# KiCad board PC110.kicad_pcb (continued)
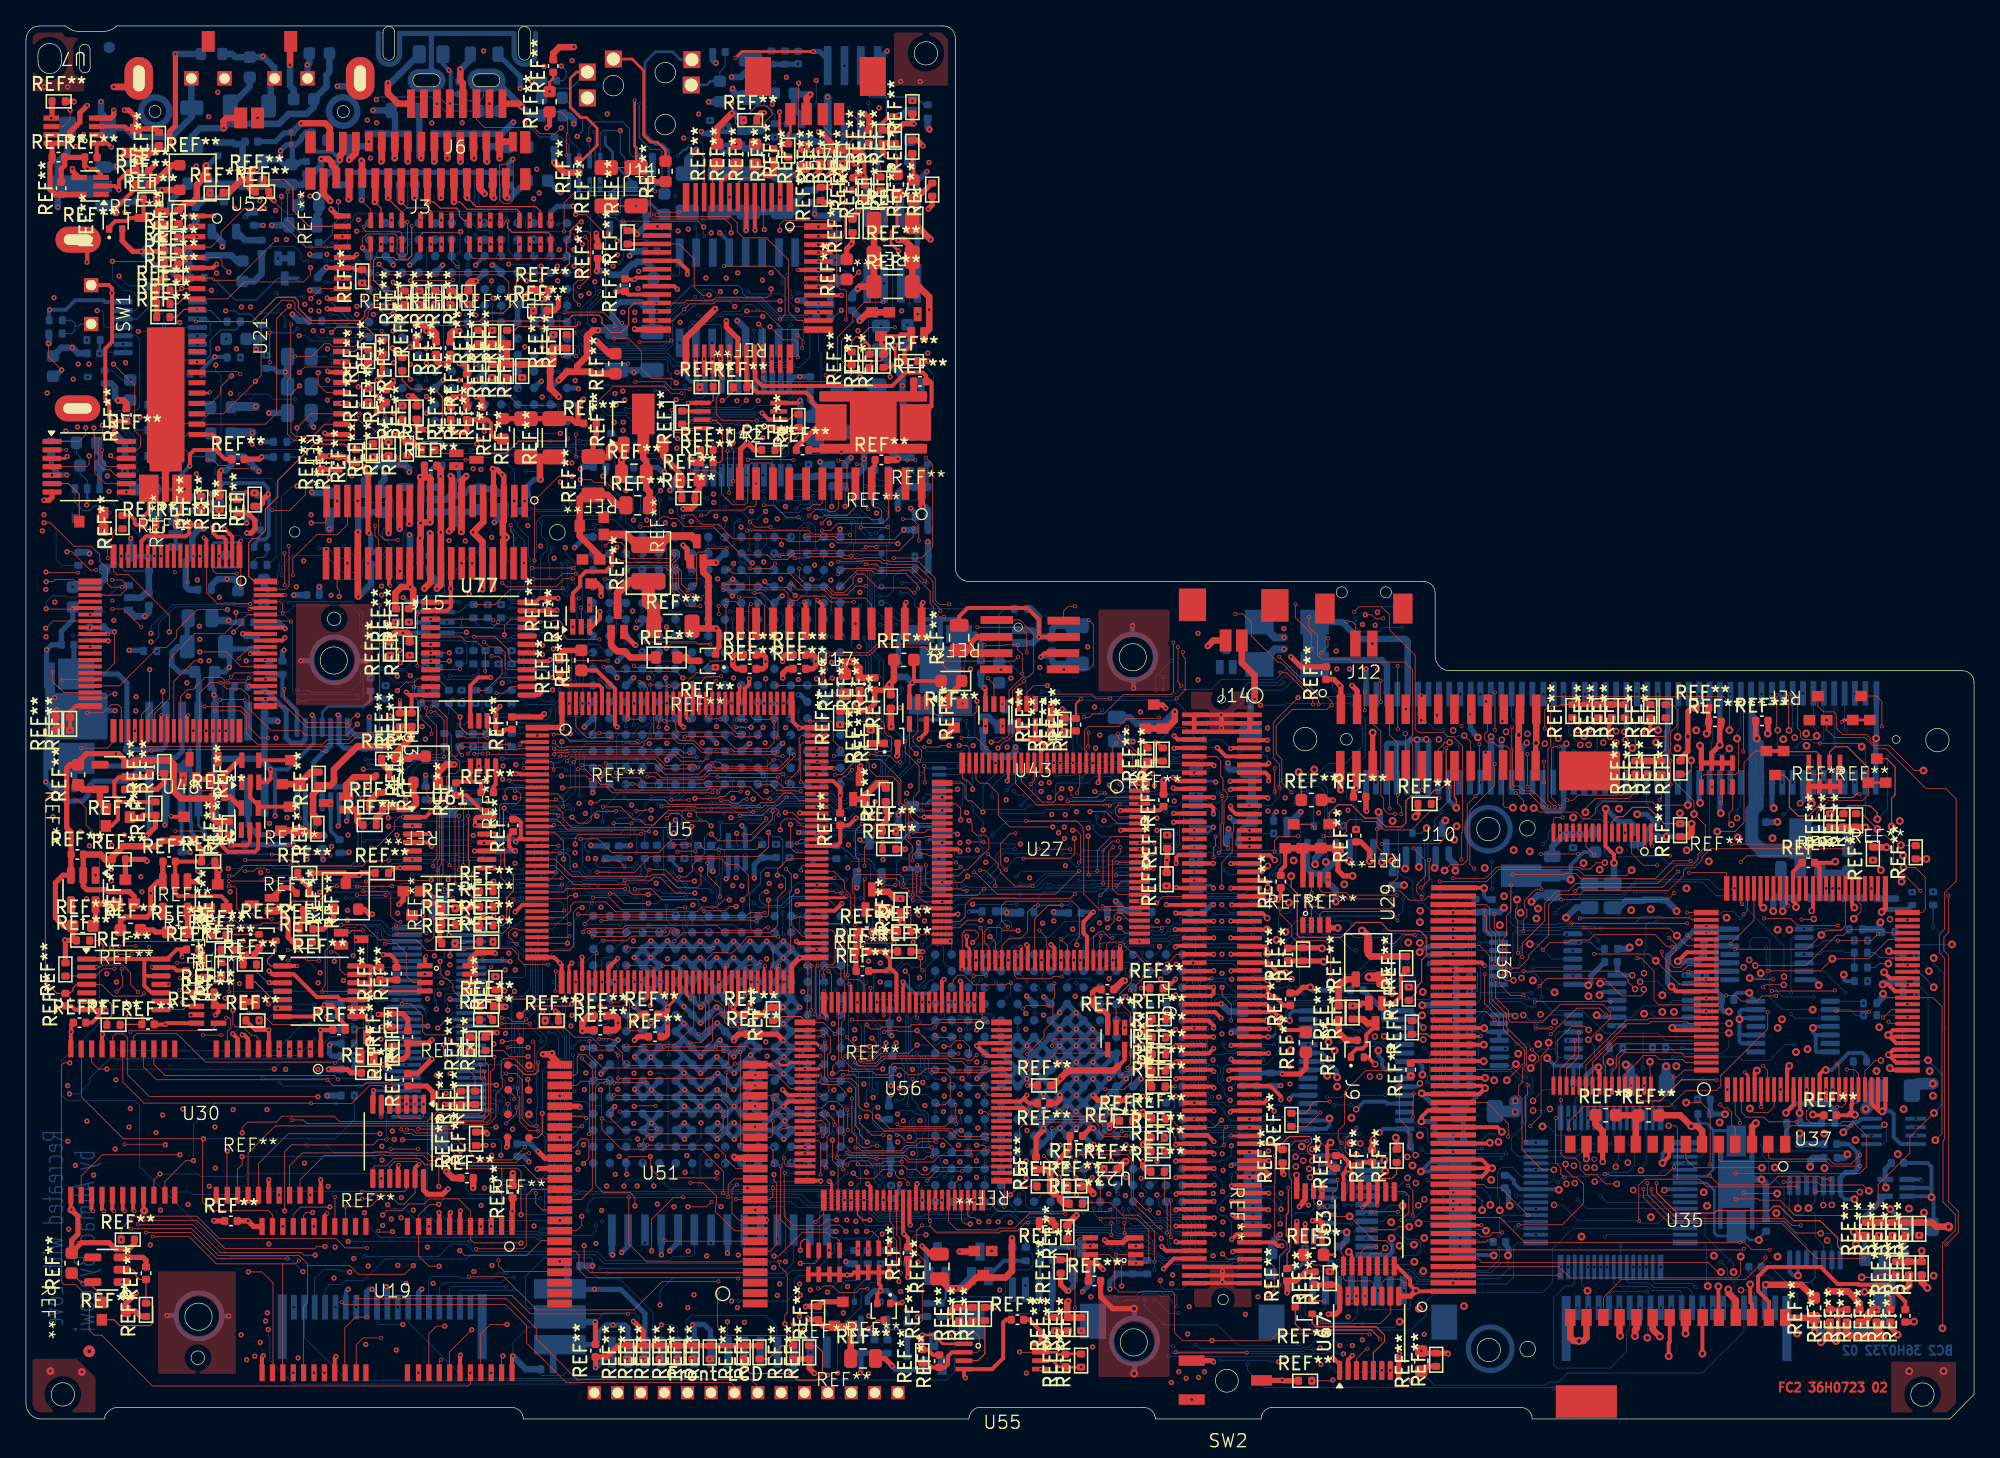
[diagram p0: board, top side]
## Routing (per net, layer and track width the routed paths; a pad name or vN(x,y) marks a point on that pad's centre or on a via; arc(x,y) is an arc through that point) (continued)
BCD7: length 42.9
  FC2 w0.3: v1(91.46,46.62) 91.46,47.1 91.3,47.26 J16.82
  IC4 w0.05: v1(91.46,46.62) 91.86,46.62 92.06,46.82 93.26,46.82 94.92,45.16 94.92,33.61 95.48,33.05 96.15,33.05 97.83,31.37 97.83,30.56 97.29,30.02 v3(97.29,29.29)
  BC1 w0.05: v11(96,22.83) 95.67,23.16 95.67,23.83 96.28,24.44 96.28,26.71 v11(96.64,27.07) ; v11(89.83,23.72) 87.66,23.72 86.66,24.72 v11(86.66,25.39)
  BC2 w0.05: 86.54,25.65 86.66,25.53 v11(86.66,25.39) 86.66,25.5 86.54,25.62 ; v11(96,22.83) 95.71,22.54 93.71,22.54 93.62,22.45 91.1,22.45 v11(89.83,23.72) ; v3(97.29,29.29) 96.7,28.7 96.7,27.13 v11(96.64,27.07)
BCD8: length 11.4
  FC2 w0.3: v1(88.58,16.11) 88.63,16.16 J16.131
  IC2 w0.05: v1(88.58,16.11) 87.72,15.25 87.02,15.25 86.83,15.44 83.34,15.44 81.52,17.26 v1(80.92,17.26)
  BC2 w0.05: 81.46,18.03 81.46,17.53 81.19,17.26 v1(80.92,17.26)
BCD9: length 10.8
  FC2 w0.3: v1(88.58,14.86) J16.133
  BC1 w0.05: v11(81.45,15.91) 82.03,15.91 83.12,14.82 86.57,14.82 86.83,14.56 87.55,14.56 87.85,14.86 v1(88.58,14.86)
  BC2 w0.05: U25.A9 80.79,16.15 81.2,16.15 81.44,15.91 v11(81.45,15.91)
BCD10: length 15
  FC2 w0.3: J16.135 88.63,13.61 v1(88.58,13.66)
  IC4 w0.05: v1(85.9,18.54) 85.4,18.04 85.4,16.62 86.81,15.21 86.99,15.21 88.54,13.66 v1(88.58,13.66)
  BC1 w0.05: v11(80.26,20.06) 80.52,20.32 82.55,20.32 83.43,19.44 85,19.44 v1(85.9,18.54)
  BC2 w0.05: 80.19,20.57 80.19,20.13 v11(80.26,20.06)
BCD10_2: length 81
  FC1 w0.05: v1(87.11,45.36) 87.11,45.23 87.63,44.71 v2(89.99,44.71)
  BC1 w0.05: v11(106.41,34.35) 106.43,34.33 106.43,29.07 106.92,28.58 v11(107.68,28.58) ; v11(96.6,19.77) 96.6,19.49 96.33,19.22 96.33,18.62 96.99,17.96 99.18,17.96 99.52,18.3 99.52,19.77 99.99,20.24 99.99,24.58 v11(100.2,24.79) ; v11(107.93,25.94) 107.93,24.59 107.72,24.38 107.06,24.38 106.49,24.95 v11(104.69,24.95) ; v11(89.84,24.17) 88.61,24.17 87.95,24.83 v11(87.95,24.95) ; v11(106.39,35.21) 105.13,36.47 105.13,38.1 103.61,39.62 103.61,41.17 102.49,42.29 101.86,42.29 101.86,42.3 101.39,42.77 101.39,44.22 v11(100.48,45.13) ; v11(95.37,22.82) 95.41,22.78 95.41,22.11 v11(96.41,21.11) ; v11(93.53,46.82) 92.46,46.82 91.97,47.31 89.4,47.31 88.63,48.08 88.16,48.08 87.55,47.48 87.55,45.81 v1(87.11,45.36)
  BC2 w0.05: v11(104.69,24.95) 101.45,24.95 101.29,24.79 v11(100.2,24.79) ; v11(95.37,22.82) 95.05,22.82 94.95,22.72 93.59,22.72 93.48,22.61 91.5,22.61 89.94,24.17 v11(89.84,24.17) ; v11(107.68,28.58) 108.1,28.16 108.1,26.51 107.93,26.34 v11(107.93,25.94) ; v11(96.6,19.77) 96.6,20.97 96.46,21.11 v11(96.41,21.11) ; v11(106.39,35.21) 106.41,35.19 v11(106.41,34.35) ; v11(93.53,46.82) 94.74,46.82 95.21,47.29 95.88,47.29 96.58,47.99 96.58,48.39 97.26,49.07 99.78,49.07 100.25,48.6 100.25,45.61 100.48,45.38 v11(100.48,45.13) ; 87.81,24.38 87.95,24.52 v11(87.95,24.95)
BCD11: length 38.2
  FC2 w0.3: v1(91.5,50.35) 91.39,50.46 J16.77
  IC4 w0.05: v1(91.5,50.35) 89.65,52.2 88.1,52.2 87.56,52.74 85.08,52.74 84.37,52.03 84.37,48.09 83.48,47.2 83.48,43.24 81.66,41.42 81.66,31.02 82.02,30.66 82.84,30.66 84.61,28.89 v1(85.96,28.89)
  BC2 w0.05: 86.54,28.19 86.54,28.27 85.96,28.85 v1(85.96,28.89)
BCD12: length 29.7
  FC2 w0.3: J16.79 88.66,49.16 v1(88.38,49.44)
  IC4 w0.05: v1(87.22,26.22) 86.64,26.8 86.64,30.46 86.44,30.66 86.44,33.96 86.58,34.1 86.58,38.64 87.07,39.13 87.92,39.13 89.78,40.99 89.78,44.41 89.14,45.05 88.53,45.05 87.57,46.01 87.57,48.43 88,48.86 88,49.06 v1(88.38,49.44)
  BC2 w0.05: 87.81,26.92 87.22,26.33 v1(87.22,26.22)
BCD13: length 91
  FC2 w0.3: v1(91.46,47.88) 91.43,47.91 J16.81
  IC4 w0.05: v1(91.46,47.88) 92.89,47.88 95.1,45.67 95.1,33.76 95.61,33.25 96.36,33.25 99.34,30.27 99.34,22.37 100.04,21.67 100.04,9.48 99.84,9.28 99.84,7.64 100.28,7.2 100.28,5.25 99.74,4.71 v1(99.74,4.2)
  BC1 w0.05: v11(95.31,28.53) 95.39,28.61 95.93,28.61 96.78,27.76 97.47,27.76 97.83,27.4 97.83,24.42 96.81,23.4 96.81,21.57 96.88,21.5 96.88,20.51 96.17,19.8 96.17,17.15 96.7,16.62 97.06,16.62 97.95,15.73 99.33,15.73 99.56,15.5 99.56,10.44 99.25,10.13 99.25,6.05 98.88,5.68 98.88,4.59 99.27,4.2 v1(99.74,4.2) ; v11(92.25,28.9) 91.87,28.9 91.77,29 91.31,29 91.14,28.83 90.37,28.83 90.21,28.99 v11(89.82,28.99)
  BC2 w0.05: 89.08,25.65 89.54,25.65 89.71,25.82 89.71,25.94 89.96,26.19 89.96,27.64 89.72,27.88 89.72,28.56 89.82,28.66 v11(89.82,28.99) ; v11(92.25,28.9) 92.25,28.67 92.56,28.36 93.05,28.36 93.22,28.53 v11(95.31,28.53)
BCD14: length 27.9
  FC2 w0.3: J16.83 88.4,46.66 v1(88.39,46.67)
  IC4 w0.05: v1(88.39,46.67) 89.17,46.67 91,44.84 91,28.1 v1(91.44,27.66)
  BC1 w0.05: v11(89.65,27.54) 89.77,27.66 v1(91.44,27.66) ; v11(88.38,25.48) 89.15,25.48 89.58,25.91 v11(89.58,26.21)
  BC2 w0.05: v11(88.38,25.48) 88.23,25.63 U25.H15 87.81,25.64 87.81,25.65 ; v11(89.65,27.54) 89.65,27.33 89.73,27.25 89.73,26.58 89.58,26.43 v11(89.58,26.21)
BCD15: length 36.2
  FC1 w0.05: v2(89.99,45.36) 88.05,45.36 v1(87.11,46.3)
  BC1 w0.05: 80.75,43.14 80.75,38.59 80.21,38.05 80.21,28.42 80.48,28.15 80.48,26 81.1,25.38 83.76,25.38 84.76,24.38 85.03,24.38 85.39,24.02 85.75,24.02 86.04,24.31 v11(86.46,24.31) ; 80.75,43.14 v11(81.43,43.82) ; 80.75,43.14 80.75,43.03 ; v11(82.98,43.83) 82.98,44.67 83.94,45.63 83.94,45.97 v11(84.24,46.27)
  BC2 w0.05: 86.54,24.38 86.47,24.31 v11(86.46,24.31) ; v1(87.11,46.3) 87.08,46.27 v11(84.24,46.27) ; v11(81.43,43.82) 82.97,43.82 v11(82.98,43.83)
BCE1#: length 34.9
  FC2 w0.3: v1(88.39,45.98) 88.42,46.01 J16.84
  BC1 w0.05: v11(94.66,33.01) 94.66,33.95 94.75,34.04 94.75,34.77 94.63,34.89 94.63,36.43 93.96,37.1 93.96,39.76 93.77,39.95 93.77,42.63 92.85,43.55 88.56,43.55 87.64,44.47 87.64,45.23 v1(88.39,45.98) ; v11(90.91,31.11) 90.49,31.11 v11(90.08,30.7)
  BC2 w0.05: v11(94.66,33.01) 94.09,33.01 93.98,32.9 93.11,32.9 92.3,33.71 91.21,33.71 90.91,33.41 v11(90.91,31.11) ; v11(90.08,30.7) 90.12,30.66 90.12,29.99 90.19,29.92 90.19,29.29 90.16,29.26 90.16,28.72 89.96,28.52 89.96,27.94 90.13,27.77 90.13,26.07 89.95,25.89 89.95,25.25 89.08,24.38
BCE2#: length 33.2
  FC1 w0.05: v2(89.99,44.06) 90.11,44.06 90.16,44.01 92.01,44.01 92.18,43.84 92.18,42.48 93.73,40.93 93.73,39.29 93.22,38.78 92.53,38.78 v1(92.11,38.36)
  IC4 w0.05: v1(92.12,35.81) 92.12,38.35 v1(92.11,38.36)
  BC1 w0.05: v1(92.12,35.81) 92.58,35.35 93.31,35.35 93.86,34.8 93.86,33.93 93.98,33.81 93.98,32.15 94.83,31.3 94.83,29.91 94.63,29.71 94.63,25.49 94.46,25.32 94.46,23.46 94.18,23.18 v11(94.18,22)
  BC2 w0.05: 89.08,23.11 89.65,22.54 90.22,22.54 90.69,22.07 94.11,22.07 v11(94.18,22)
BCIORD#: length 25.8
  FC1 w0.05: v1(87.96,38.37) 87.96,39.05 88.43,39.52 89.35,39.52 89.99,40.16 v2(89.99,41.51)
  IC4 w0.05: v1(87.96,38.37) 89.78,38.37 90.8,37.35 90.8,27.73 91.04,27.49 91.04,26.66 91.88,25.82 v1(91.88,24.81)
  BC1 w0.05: v1(91.88,24.81) 91.88,24.22 91.95,24.15 91.95,23.52 91.51,23.08 91.51,22.89 90.77,22.15 v11(90.16,22.15)
  BC2 w0.05: 89.08,21.84 89.85,21.84 v11(90.16,22.15)
BCIOWR#: length 28.6
  FC2 w0.05: J16.93 87.58,40.26 v1(87.08,39.76)
  IC1 w0.05: v1(82.15,37.73) 82.22,37.73 82.59,37.36 86.01,37.36 86.53,37.88 86.53,38.68 87.08,39.23 v1(87.08,39.76)
  BC1 w0.05: v11(85.57,24.36) 85.57,25 85.13,25.44 84.08,25.44 83.93,25.59 81.69,25.59 81.37,25.91 81.37,27.58 80.41,28.54 80.41,32.93 80.67,33.19 80.96,33.19 81.21,33.44 81.21,35.81 81.59,36.19 81.59,36.7 82.15,37.26 v1(82.15,37.73)
  BC2 w0.05: 85.27,24.38 85.29,24.36 v11(85.57,24.36)
BINPACK#: length 35.7
  FC2 w0.05: v2(84.43,22.16) 88.24,22.16 88.4,22 88.4,21.81 88.47,21.74 88.48,21.74 88.57,21.65 v1(88.57,21.13) ; v2(84.28,26.39) 84.66,26.77 84.97,26.77 85.32,27.12 85.32,32.75 v2(85.04,33.03)
  FC2 w0.3: J16.123 88.65,21.21 v1(88.57,21.13) ; v2(85.87,33.19) REF**#184.1
  FC1 w0.05: v1(88.57,21.13) 89.12,20.58 89.12,18.37 90.11,17.38 v1(91.45,17.38) ; v2(84.28,26.39) 84.28,22.62 84.43,22.47 v2(84.43,22.16) ; v2(85.04,33.03) 85.29,33.03 85.45,33.19 v2(85.87,33.19)
  BC1 w0.05: v1(91.45,17.38) 90.81,17.38 90.44,17.75 88.36,17.75 87.22,16.61 86.66,16.61 86.4,16.35 85.54,16.35 85.1,15.91 84.29,15.91 84.11,16.09 v11(84.11,17.33)
  BC2 w0.2: 84,18.03 84,17.44 v11(84.11,17.33)
BIOS_CE#: length 70.9
  BC1 w0.05: v11(90.13,49.65) 90.13,51.9 v11(90.72,52.49) ; v11(51.99,50.59) 52.65,49.93 52.65,49.16 52.79,49.02 52.79,47.52 v11(52.81,47.5) ; v11(87.59,57.19) 87.59,59.67 85.69,61.57 74.5,61.57 74.03,61.1 74.03,56.73 74.24,56.52 74.24,56.17 74.03,55.96 74.03,54.88 72.46,53.31 72.42,53.35 62.61,53.35 61.92,54.04 60.46,54.04 59.96,54.54 v11(59.49,54.54) ; v11(91.06,53.94) 91.06,55.07 89.98,56.15 v11(87.6,56.15) ; v11(58.53,49.51) 57.98,50.06 56.5,50.06 56.12,49.68 56.12,48.93 56.47,48.58 56.47,47.24 v11(56.46,47.23)
  BC2 w0.05: v11(87.59,57.19) 87.59,56.16 v11(87.6,56.15) ; v11(51.99,50.59) 51.99,50.37 51.8,50.18 51.29,50.18 ; v11(56.46,47.23) 56.06,47.23 55.79,47.5 v11(52.81,47.5) ; v11(58.53,49.51) 59.25,49.51 59.54,49.8 59.54,50.34 60.02,50.82 60.59,50.82 60.83,51.06 60.83,52.88 60.34,53.37 60.01,53.37 59.49,53.89 v11(59.49,54.54) ; v11(91.06,53.94) 91.06,53.41 90.72,53.07 v11(90.72,52.49)
BIOS_RP#: length 13
  FC2 w0.05: 65.35,40.62 REF**#161.3
  FC2 w0.5: 65.35,40.62 66.43,40.62 66.95,40.1 v2(67.36,40.1)
  FC1 w0.05: v1(71.75,45.06) 71.73,45.04 71.44,45.04 71.26,44.86 71.26,43.19 69.77,41.7 67.09,41.7 66.66,41.27 66.66,40.8 v2(67.36,40.1)
  BC2 w0.2: U6.10 71.66,45.15 v1(71.75,45.06)
BIOS_SA17: length 142.6
  FC2 w0.05: v2(108.08,43.08) 108.08,42.65 108.08,42.65 108.08,42.29 108.08,42.29 108.08,41.55 v2(107.47,40.94) ; v5(114.57,33.8) 113.94,33.8 113.72,34.02 113.72,36.95 114.05,37.28 114.05,38.81 114.38,39.14 v2(114.38,41.13) ; v2(105.26,40.07) 101.76,40.07 101.52,40.31 99.57,40.31 99.28,40.02 v2(98.96,40.02)
  FC1 w0.05: v2(108.08,43.08) 109.83,43.08 110.1,43.35 110.94,43.35 111.41,42.88 112.67,42.88 114.38,41.17 v2(114.38,41.13) ; v2(98.96,40.02) 98.22,40.02 97.98,39.78 v3(97.28,39.78) ; v2(105.26,40.07) 106.53,40.07 107.4,40.94 v2(107.47,40.94) ; v1(54.36,9.09) 61.66,9.09 62.22,9.65 62.22,13.4 61.34,14.28 61.34,15.8 62.4,16.86 v2(63.05,16.86)
  IC2 w0.05: v1(54.36,9.09) 55.55,9.09 56.29,9.83 56.29,13.34 59.82,16.87 75.17,16.87 75.58,16.46 79.9,16.46 80.26,16.1 81.75,16.1 82.78,15.07 86.14,15.07 87.05,14.16 87.05,13.01 88.28,11.78 90.62,11.78 91.47,10.93 93.96,10.93 94.64,11.61 107.18,11.61 107.41,11.84 108.48,11.84 110.79,14.15 110.79,18.55 112.67,20.43 113.47,20.43 114.32,21.28 114.32,22.67 114.11,22.89 114.11,25.3 114.09,25.31 114.09,25.54 114.45,25.9 114.45,26.28 114.07,26.66 114.07,33.3 v5(114.57,33.8)
  BC1 w0.05: v11(96.5,40.99) 97.28,40.21 v3(97.28,39.78)
  BC2 w0.05: U6.40 90.93,40.65 91.1,40.48 93.93,40.48 94.82,41.37 96.12,41.37 v11(96.5,40.99)
BIOS_Vpp: length 14.6
  FC2 w0.05: 65.81,39.41 REF**#161.1
  FC2 w0.5: v1(66.56,39.41) 65.81,39.41
  IC2 w0.05: v1(66.56,39.41) 66.56,39.43
  IC2 w0.4: v1(64.24,44.63) 64.24,41.75 66.56,39.43
  BC2 w0.08: 68.21,45.35 68.34,45.48 68.34,45.65 ; 64.79,44.46 64.95,44.46 REF**#532.3
  BC2 w0.2: 67.2,44.46 67.2,44.71 REF**#521.1 ; 67.2,44.46 67.32,44.46 68.51,45.65 U6.11 ; 67.2,44.46 64.41,44.46 v1(64.24,44.63)
BIOS_WE#: length 11.3
  FC2 w0.05: REF**#185.4 68.05,51.79 v1(68.57,51.27)
  BC1 w0.05: v1(68.57,51.27) 69.08,51.27 69.9,50.45 69.9,44.99 v11(69.4,44.49)
  BC2 w0.2: v11(69.4,44.49) 69.56,44.65 U6.9
BOE#: length 37.2
  FC2 w0.3: J16.88 88.77,43.46 88.6,43.29 v1(88.6,42.81)
  IC2 w0.05: v1(80.06,42.64) 86.31,42.64 86.33,42.62 86.39,42.62 86.54,42.47 88.26,42.47 v1(88.6,42.81)
  BC1 w0.05: v1(80.06,42.64) 80.06,34.47 79.14,33.55 79.14,31.75 79.03,31.64 79.03,24.91 79.45,24.49 84.36,24.49 84.69,24.16 84.86,24.16 85.81,23.21 86.27,23.21 v11(86.45,23.03)
  BC2 w0.05: 86.54,23.11 86.46,23.03 v11(86.45,23.03)
BRDY_BSY#: length 54.2
  FC2 w0.3: J16.102 91.45,34.51 v1(91.48,34.54)
  FC1 w0.05: v2(87.68,21.67) 87.61,21.67 87.22,21.28 87.22,20.38 87.77,19.83 87.77,18.92 88.49,18.2 88.62,18.2 90.64,16.18 v1(92.15,16.18)
  IC2 w0.05: v1(91.48,34.54) 87.02,34.54 86.58,34.98 84,34.98 84.05,35.03 82.9,33.88 82.9,22.12 84.55,20.47 89.25,20.47 90.19,19.53 90.19,15.88 91.34,14.73 92.96,14.73 93.39,15.16 93.39,15.99 93.2,16.18 v1(92.15,16.18)
  BC1 w0.05: v11(89.68,16.11) 89.96,16.11 90.25,15.82 91.14,15.82 91.5,16.18 v1(92.15,16.18)
  BC2 w0.05: v11(89.68,16.11) 89.68,17.02 89.08,17.62 89.08,18
BREG#: length 12.4
  FC2 w0.3: J16.125 88.61,19.91 v1(88.56,19.86)
  IC4 w0.05: v1(88.56,19.86) 89.03,20.33 89.03,25.22 88.76,25.49 88.33,25.49 88.1,25.72 88.1,27.92 v1(87.27,28.75)
  BC2 w0.05: 87.81,29.46 87.27,28.92 v1(87.27,28.75)
BRESET: length 18.4
  FC2 w0.3: J16.119 91.46,23.76 v1(91.49,23.73)
  IC1 w0.05: v1(87.35,24.94) 88.51,23.78 91.35,23.78 91.4,23.73 v1(91.49,23.73)
  IC4 w0.05: v1(87.23,15.89) 87.75,16.41 87.75,20.37 87.32,20.8 87.32,24.91 v1(87.35,24.94)
  BC1 w0.05: v11(85.78,15.73) 86.74,15.73 86.9,15.89 v1(87.23,15.89)
  BC2 w0.05: v11(85.78,15.73) 85.27,16.24 85.27,16.76
BridgeBat: length 7.7
  FC2 w0.5: J14.1 93.65,58.28 94.63,57.3 v1(94.63,55.47)
  BC2 w0.5: v1(94.63,55.47) 94.33,55.17 F4.2
BridgeBat_F4: length 62.2
  FC2 w0.4: REF**#125.2 86.89,55.03 87.54,55.03 v1(87.79,54.78) ; v1(46.97,59.63) 46.91,59.63 46.07,60.47 REF**#62.1
  IC1 w0.5: v1(92.58,50.54) 92,51.12 90.89,51.12
  IC1 w0.7: 90.89,51.12 90.59,51.12 90.08,51.63 90.08,55.04 89.14,55.98 88.11,55.98 87.79,55.66 v1(87.79,54.78) 87.08,55.49 84.25,55.49 78.62,61.12 76.32,61.12 75.44,60.24 65.54,60.24 64.88,60.9 55.06,60.9 53.95,59.79 51.85,59.79 51.33,60.31 47.65,60.31 v1(46.97,59.63)
  BC2 w0.5: F4.1 92.74,50.02 92.58,50.18 v1(92.58,50.54)
  BC2 w0.6: REF**#604.2 94.43,49.92 F4.1
BridgeBat_F4_anode: length 8.2
  FC2 w0.5: REF**#125.3 REF**#125.1 87.86,53.21 88.49,53.83 v1(88.49,54.51)
  BC2 w0.5: v1(88.49,54.51) 87.58,53.6 85.53,53.6 85.06,54.07 REF**#856.2
BVCC3EN#: length 73.7
  BC1 w0.05: v11(70.49,38.45) 70.49,39.67 71.6,40.78 71.6,43.01 70.94,43.67 70.94,47.65 71.23,47.94 v11(74.41,47.94) ; v11(98.42,32.7) 98.83,32.29 98.83,28.92 v11(98.76,28.85) ; v11(97.4,48.77) 97.32,48.69 94.99,48.69 94.33,49.35 94.33,51.89 93.45,52.77 91.58,52.77 90.47,53.88 85.65,53.88 84.88,54.65 82.9,54.65 v11(82.89,54.64) ; v11(98.74,36.75) 99.6,37.61 99.6,41.75 100.58,42.73 100.58,43.12 100.23,43.47 v11(100.15,43.47)
  BC2 w0.05: v11(100.15,43.47) 100.15,43.65 100.09,43.71 100.09,45.3 100.05,45.34 100.04,45.34 100.04,48.31 99.6,48.75 97.42,48.75 v11(97.4,48.77) ; v11(70.49,38.45) 70.49,36.5 70.67,36.32 70.67,35.17 71.3,34.54 ; v11(74.41,47.94) 74.41,48.7 75.4,49.69 76.94,49.69 77.95,50.7 80.35,50.7 80.65,51 80.65,54.11 80.91,54.37 82.62,54.37 v11(82.89,54.64) ; v11(98.42,32.7) 98.12,33 98.12,36.13 v11(98.74,36.75)
BVCC5EN#: length 55
  IC3 w0.05: v1(71.92,28.71) 72.35,28.71 72.55,28.91 72.55,30.07 73.13,30.65 87.99,30.65 90.21,32.87 94.65,32.87 94.94,33.16 96.86,33.16 97.59,32.43 101.68,32.43 102.14,32.89 105.16,32.89 v3(105.22,32.83)
  BC1 w0.05: v11(102.39,29.41) 102.39,31.06 104.16,32.83 v3(105.22,32.83) ; v11(68.8,30.62) 68.99,30.81 68.99,32.66 68.71,32.94 v11(68.71,33.29) ; v11(69.73,30.04) 70.29,29.48 71.15,29.48 v1(71.92,28.71)
  BC2 w0.05: v11(102.39,29.41) 102.02,29.41 101.93,29.5 REF**#853.27 ; v11(69.73,30.04) 69.38,30.04 v11(68.8,30.62) ; v11(68.71,33.29) 69.28,33.86 69.28,34.75 70.03,35.5 70.03,35.78
BVPP_EN0: length 59.6
  BC1 w0.05: v11(102.7,29.92) 102.7,29.16 102.66,29.12 102.66,25.01 103.15,24.52 103.15,22.42 v11(102.71,21.98) ; v11(90.62,24.43) 90.62,23.11 90.39,22.88 87.8,22.88 87.19,22.27 85.97,22.27 85.4,22.84 84.37,22.84 84.25,22.96 78.31,22.96 78.24,23.03 74.76,23.03 74.55,23.24 73.02,23.24 70.26,26 70.26,27.78 69.55,28.49 69.55,29.46 69.17,29.84 v11(69.17,33.29)
  BC2 w0.05: v11(90.62,24.43) 90.95,24.43 90.99,24.39 92.22,24.39 92.49,24.12 93.06,24.12 93.74,24.8 94.17,24.8 94.77,24.2 96.73,24.2 97.78,23.15 97.78,22.23 98.04,21.97 102.7,21.97 v11(102.71,21.98) ; U25.R1 70.04,34 69.85,33.81 69.63,33.81 69.17,33.35 v11(69.17,33.29) ; REF**#853.28 102.12,30.15 102.35,29.92 v11(102.7,29.92)
BVPP_EN1: length 97.6
  IC1 w0.05: v1(88.79,3.64) 88.82,3.67 88.82,4.42 89.26,4.86 98.35,4.86 99.59,6.1 v1(102.94,6.1)
  IC4 w0.05: v1(102.94,6.1) 102.94,20.44 103.36,20.86 103.36,21.88 103.99,22.51 104.43,22.51 105.08,21.86 105.08,21.45 105.63,20.9 105.69,20.9 v5(106.4,20.19)
  BC1 w0.05: v11(101.43,20.92) 101.43,24.7 101.7,24.97 101.7,28.13 100.84,28.99 v11(100.84,30.69) ; v11(71.77,32.79) 73.22,32.79 73.91,32.1 73.91,29.29 74.12,29.08 74.12,24.92 v11(74.55,24.49) ; v11(74.87,18.58) 74.87,16.39 75.71,15.55 v11(77.17,15.55) ; v1(88.79,3.64) 88.79,7.63 88.03,8.39 88.03,9.35 88.76,10.08 88.76,11.42 86.88,13.3 v11(86.88,13.65)
  BC2 w0.05: v11(86.88,13.65) 86.24,14.29 84.05,14.29 83.59,14.75 81.03,14.75 80.23,15.55 v11(77.17,15.55) ; REF**#853.29 100.55,30.8 100.57,30.78 100.62,30.78 100.71,30.69 v11(100.84,30.69) ; v11(101.43,20.92) 101.71,20.92 101.8,20.83 102.54,20.83 102.59,20.78 102.7,20.78 102.98,20.5 105.39,20.5 105.7,20.19 v5(106.4,20.19) ; v11(71.77,32.79) 71.3,33.26 71.3,33.27 ; v11(74.87,18.58) 74.69,18.58 74.55,18.72 v11(74.55,24.49)
BWAIT#: length 16.8
  FC2 w0.05: v1(92.08,23.02) 91.52,22.46 J16.121 88.84,22.46 88.14,23.16 REF**#139.2
  BC1 w0.05: v11(84.19,19.85) 84.19,20.1 84.59,20.5 86.05,20.5 86.47,20.92 88.26,20.92 88.47,20.71 89.59,20.71 89.74,20.56 90.94,20.56 91.29,20.91 92.01,20.91 92.62,21.52 92.62,21.86 92.08,22.4 v1(92.08,23.02)
  BC2 w0.05: 84,19.3 84.19,19.49 v11(84.19,19.85)
BWE#: length 106.5
  FC2 w0.05: v2(67.09,21.89) 67.29,21.89 67.89,21.29 68.39,21.29 68.72,21.62 70.66,21.62 71.61,20.67 v2(74.14,20.67) ; v2(87.91,35.09) 88.63,35.81 J16.100 ; v2(83.14,25.4) 84.59,25.4 85.17,25.98 85.17,26.54 85.49,26.86 85.49,33.42 v2(86.13,34.06) ; v2(81.94,19.34) 81.7,19.1 79.57,19.1 v2(78.42,20.25)
  FC2 w0.3: J16.100 v1(91.48,35.81)
  FC1 w0.05: v2(78.42,20.25) 78,20.67 v2(74.14,20.67) ; v2(83.14,25.4) 83.15,25.39 83.15,24.9 82.41,24.16 81.99,24.16 81.79,23.96 81.79,19.96 81.94,19.81 v2(81.94,19.34) ; v1(59.58,7.89) 59.58,7.48 59.71,7.35 62.83,7.35 63.57,8.09 63.57,9.1 62.59,10.08 62.59,13.59 61.94,14.24 61.94,15.62 62.51,16.19 63.63,16.19 64.14,16.7 64.14,18.97 64.42,19.25 64.42,21.76 64.85,22.19 66.79,22.19 v2(67.09,21.89) ; v2(87.91,35.09) 87.42,34.6 87.13,34.6 86.59,34.06 v2(86.13,34.06)
  BC1 w0.05: v11(61.56,16.96) 61.56,11.3 62.21,10.65 62.21,9.16 61.62,8.57 v11(61.62,8.19) ; v11(68.36,22.68) 68.61,22.68 68.72,22.57 69.35,22.57 69.98,23.2 72.54,23.2 72.7,23.03 74.43,23.03 74.62,22.84 77.69,22.84 77.92,22.61 77.92,22.32 78.27,21.97 83.51,21.97 v11(84.02,22.48) ; v11(68.16,18.89) 68.16,16.88 v11(67.76,16.48)
  BC2 w0.05: v11(84.02,22.48) 84,22.5 84,23.11 ; v1(59.58,7.89) 59.88,8.19 v11(61.62,8.19) ; v11(61.56,16.96) 61.8,16.96 61.97,17.13 64.96,17.13 66.11,15.98 67.26,15.98 v11(67.76,16.48) ; v11(68.36,22.68) 68.36,22.17 68.6,21.93 68.6,20.7 68.7,20.6 68.7,20.27 68.61,20.18 68.61,19.34 v11(68.16,18.89)
BWP_IOIS16#: length 27
  FC2 w0.3: J16.136 87.82,12.96 v1(87.5,13.28)
  FC1 w0.05: v2(80.24,17.92) 80.24,17.25 80.98,16.51 83.66,16.51 84.54,15.63 85.67,15.63 86.61,14.69 86.61,13.65 86.98,13.28 v1(87.5,13.28)
  BC1 w0.05: v11(86.2,13.76) 85.37,14.59 82.87,14.59 82.7,14.76 81.17,14.76 78.85,17.08 78.85,18.49 79.4,19.04 79.9,19.04 80.09,18.85 v11(80.09,18.58)
  BC2 w0.05: 80.19,19.3 80.19,18.68 v11(80.09,18.58) ; v1(87.5,13.28) 87.45,13.33 87.04,13.33 87.01,13.36 86.75,13.36 86.35,13.76 v11(86.2,13.76)
CS#: length 68.2
  FC2 w0.05: v2(83.96,12.66) U22.2
  FC1 w0.05: v1(82.16,5.55) 82.16,6.12 83.96,7.92 v2(83.96,12.66)
  IC4 w0.05: v1(62.52,3.55) 63.05,3.55 64.07,4.57 80.08,4.57 81.06,5.55 v1(82.16,5.55)
  BC1 w0.05: v11(71.07,31.32) 71.06,31.33 v11(70.45,31.33) ; v11(65.56,13.64) 65.56,15.95 65.46,16.05 65.46,18.79 65.56,18.89 65.56,19.7 65.8,19.94 65.8,22.05 66.48,22.73 66.48,24 v11(67.02,24.54) ; v11(72.69,31.33) 72.69,31 73,30.69 v11(73.25,30.69) ; v11(67.45,27.89) v11(68.26,27.89)
  BC2 w0.05: v11(67.02,24.54) 67.51,24.54 67.67,24.7 67.67,25.23 67.72,25.28 67.72,25.63 67.68,25.67 67.68,27.13 67.45,27.36 v11(67.45,27.89) ; 73.84,30.73 73.29,30.73 v11(73.25,30.69) ; v11(72.69,31.33) 72.68,31.32 v11(71.07,31.32) ; v11(70.45,31.33) 68.7,31.33 68.16,30.79 68.16,28.54 68.26,28.44 v11(68.26,27.89) ; v1(62.52,3.55) 62.52,6.81 64.33,8.62 64.33,9.74 65.12,10.53 65.6,10.53 66.36,11.29 66.36,13.38 66.1,13.64 v11(65.56,13.64)
D171_GPCLK: length 99.7
  FC1 w0.05: v1(51.34,7.25) 50.73,7.25 50.19,6.71 v2(50.19,4.62)
  IC2 w0.05: v1(52.43,12.56) 52.43,7.67 52.01,7.25 v1(51.34,7.25)
  IC3 w0.05: v1(52.43,12.56) 53.37,13.5 58.18,13.5 59.04,12.64 60.24,12.64 60.4,12.8 67.7,12.8 67.72,12.82 67.74,12.8 70.1,12.8 71.43,14.13 75.13,14.13 75.58,14.58 76.43,14.58 76.91,15.06 79.5,15.06 80.19,14.37 84.99,14.37 86.71,12.65 89.56,12.65 91.2,11.01 96.1,11.01 101.46,16.37 104.63,16.37 105.38,15.62 107.4,15.62 107.91,15.11 123.5,15.11 123.95,15.56 v3(125.16,15.56)
  BC1 w0.05: v3(125.16,15.56) 125.73,15.56 127.8,17.63 v11(127.8,19.7)
  BC2 w0.4: 52.73,5.17 52.73,6.8 52.24,7.29 51.38,7.29 v1(51.34,7.25) 51.48,7.11 U34.23
D171_GPDATA: length 108.8
  FC1 w0.05: v1(48.95,7.26) 48.95,6.03 v2(47.54,4.62)
  IC2 w0.05: v5(120.83,18.29) 120.83,17.07 114.38,10.62 94.85,10.62 93.93,9.7 93.93,8.81 92.91,7.79 91.17,7.79 89.65,9.31 86.62,9.31 86.13,9.8 86.13,13.54 85.32,14.35 80.72,14.35 79.3,15.77 61.99,15.77 61.78,15.56 61.78,11.24 62.32,10.7 62.32,9.35 61.86,8.89 61.86,6.8 61.28,6.22 49.99,6.22 v1(48.95,7.26)
  BC2 w0.05: 50.18,5.17 50.18,7 49.92,7.26 v1(48.95,7.26) 48.93,7.24 48.93,5.17 ; v5(120.83,18.29) 121.35,18.29 121.78,18.72 125.67,18.72 126.15,19.2 U31.21
D171_INT: length 9
  FC2 w0.05: REF**#128.2 59.08,7.25 v1(59.13,7.3)
  FC2 w0.08: REF**#48.1 57.19,4.62 58.21,5.64 REF**#128.2
  BC2 w0.05: v1(59.13,7.3) 61.16,7.3 61.63,6.83 61.63,5.17
D171_P0A0: length 36.9
  IC1 w0.05: v1(30.49,10) 30.89,10 30.94,10.05 38.42,10.05 39.26,10.89 48.88,10.89 49.74,10.03 60.34,10.03 v1(60.42,9.95)
  BC1 w0.05: v1(60.42,9.95) 60.42,11.87 60.55,12 60.55,14.4 v11(60.38,14.57)
  BC2 w0.4: J7.6 30.24,9.75 v1(30.49,10)
D171_P0A1: length 33.4
  BC1 w0.05: v11(44.77,11.23) 37,11.23 v11(36.99,11.24)
  BC2 w0.05: v11(44.77,11.23) 58.3,11.23 59.13,12.06 U34.12 ; J7.5 31.02,8.63 31.02,10.72 31.27,10.97 31.32,10.97 31.33,10.98 33.41,10.98 33.54,10.85 36,10.85 36.39,11.24 v11(36.99,11.24)
D171_P0A2: length 30.4
  BC1 w0.05: v11(57.85,13.89) 57.84,13.9 47.41,13.9 46.89,13.38 46.89,12.44 45.35,10.9 v11(37.62,10.9)
  BC2 w0.05: v11(57.85,13.89) 57.85,14.54 U34.11 ; v11(37.62,10.9) 36.99,10.9 36.59,10.5 32.25,10.5 32.24,10.51 32.2,10.51 31.84,10.15 J7.4
D171_P0A3: length 32.2
  BC1 w0.05: v11(36.97,10.2) 36.97,9.73 38.57,8.13 55.06,8.13 56.6,9.67 56.6,13.55 v11(56.59,13.56)
  BC2 w0.05: J7.3 32.64,10.07 32.77,10.2 v11(36.97,10.2) ; v11(56.59,13.56) 56.59,14.56 U34.10
D171_P0B0: length 37.3
  BC2 w0.05: J7.15 23.04,9.96 23.43,10.35 24.3,10.35 24.6,10.65 25.99,10.65 27.66,12.32 33.93,12.32 34.26,12.65 43.85,12.65 44.53,11.97 54.83,11.97 55.33,12.47 U34.9
D171_P0B1: length 37.2
  IC1 w0.05: v1(54.03,12.77) 53.35,12.09 48.15,12.09 46.86,13.38 44.82,13.38 43.94,12.5 32.42,12.5 31.99,12.93 24.73,12.93 23.73,11.93 v1(23.73,10.86)
  BC1 w0.05: v11(23.84,8.61) 23.84,10.75 v1(23.73,10.86)
  BC2 w0.4: v1(54.03,12.77) U34.8
D171_P0B2: length 34
  IC1 w0.05: v1(24.82,9.99) 25.18,9.63 38.46,9.63 38.75,9.34 49.44,9.34 49.67,9.57 v1(51.45,9.57)
  BC1 w0.05: v1(51.45,9.57) 51.45,12.25 v11(52.76,13.56)
  BC2 w0.05: v11(52.76,13.56) 52.76,14.55 U34.7
  BC2 w0.3: v1(24.82,9.99) 24.64,9.81 J7.13
D171_P0B3: length 32.5
  BC1 w0.05: v11(25.44,8.61) 25.44,11.87 26.08,12.51 v11(26.08,12.53)
  BC2 w0.05: v11(26.08,12.53) 31.8,12.53 32.75,13.48 33.88,13.48 34.46,12.9 44.01,12.9 44.68,12.23 49.56,12.23 49.87,12.54 51.28,12.54 51.48,12.74 U34.6
D171_P0C2: length 30
  FC1 w0.05: v1(50.97,8.58) 51.92,8.58 52.71,7.79 52.71,4.66 v2(52.67,4.62)
  BC1 w0.05: 47.69,9.22 47.67,9.24 v11(47.67,13.57) ; 47.69,9.22 50.35,9.22 50.97,8.6 v1(50.97,8.58) ; 47.69,9.22 38.36,9.22 v11(37.64,9.94)
  BC2 w0.05: J7.2 33.44,9.83 33.53,9.92 37.62,9.92 v11(37.64,9.94) ; U34.3 47.67,14.56 v11(47.67,13.57)
D171_P0C3: length 44.6
  FC1 w0.05: v1(45.88,12.83) 45.88,4.33 46.21,4 50.72,4 v2(51.34,4.62)
  IC1 w0.05: v1(24.94,11.32) 24.94,11.41 26.15,12.62 31.92,12.62 32.64,11.9 34.82,11.9 35.33,11.39 45.07,11.39 45.88,12.2 v1(45.88,12.83)
  BC2 w0.05: v1(24.94,11.32) 24.86,11.4 24.24,11.4 24.11,11.53 22.96,11.53 22.24,10.81 J7.16
  BC2 w0.4: v1(45.88,12.83) 46.38,13.33 U34.2
D171_P1A0: length 40.4
  IC1 w0.05: v1(18.59,8.18) 18.69,8.28 53.24,8.28 v1(54.03,7.49)
  BC1 w0.05: v11(20.64,8.61) 20.21,8.18 v1(18.59,8.18)
  BC2 w0.05: v1(54.03,7.49) 54.03,5.17
D171_P1A1: length 29.2
  BC1 w0.05: v11(28.64,8.61) 28.54,8.51 28.54,7.06 29.43,6.17 54.31,6.17 v11(55.33,5.15)
D171_P1A2: length 40.7
  BC2 w0.05: J7.17 21.44,6.27 24.77,2.94 42.63,2.94 42.79,3.1 56.1,3.1 56.53,3.53 56.53,5.17
D171_P1A3: length 37.9
  BC2 w0.05: 57.83,5.17 57.83,7.12 56.99,7.96 51.24,7.96 50.84,7.56 50.84,3.65 50.48,3.29 42.65,3.29 42.46,3.1 33.8,3.1 29.44,7.46 J7.7
D171_P1B0: length 12
  FC2 w0.08: REF**#258.1 55.28,4.02 55.8,3.5 v1(58.9,3.5) 59.41,2.99 60.89,2.99 61.35,3.45 61.35,5.18 60.89,5.64 REF**#289.2
  BC2 w0.4: v1(58.9,3.5) 59.13,3.73 U34.17
D171_RESET#: length 9